# KiCad board rabbit_mask_video_edit.kicad_pcb (continued)
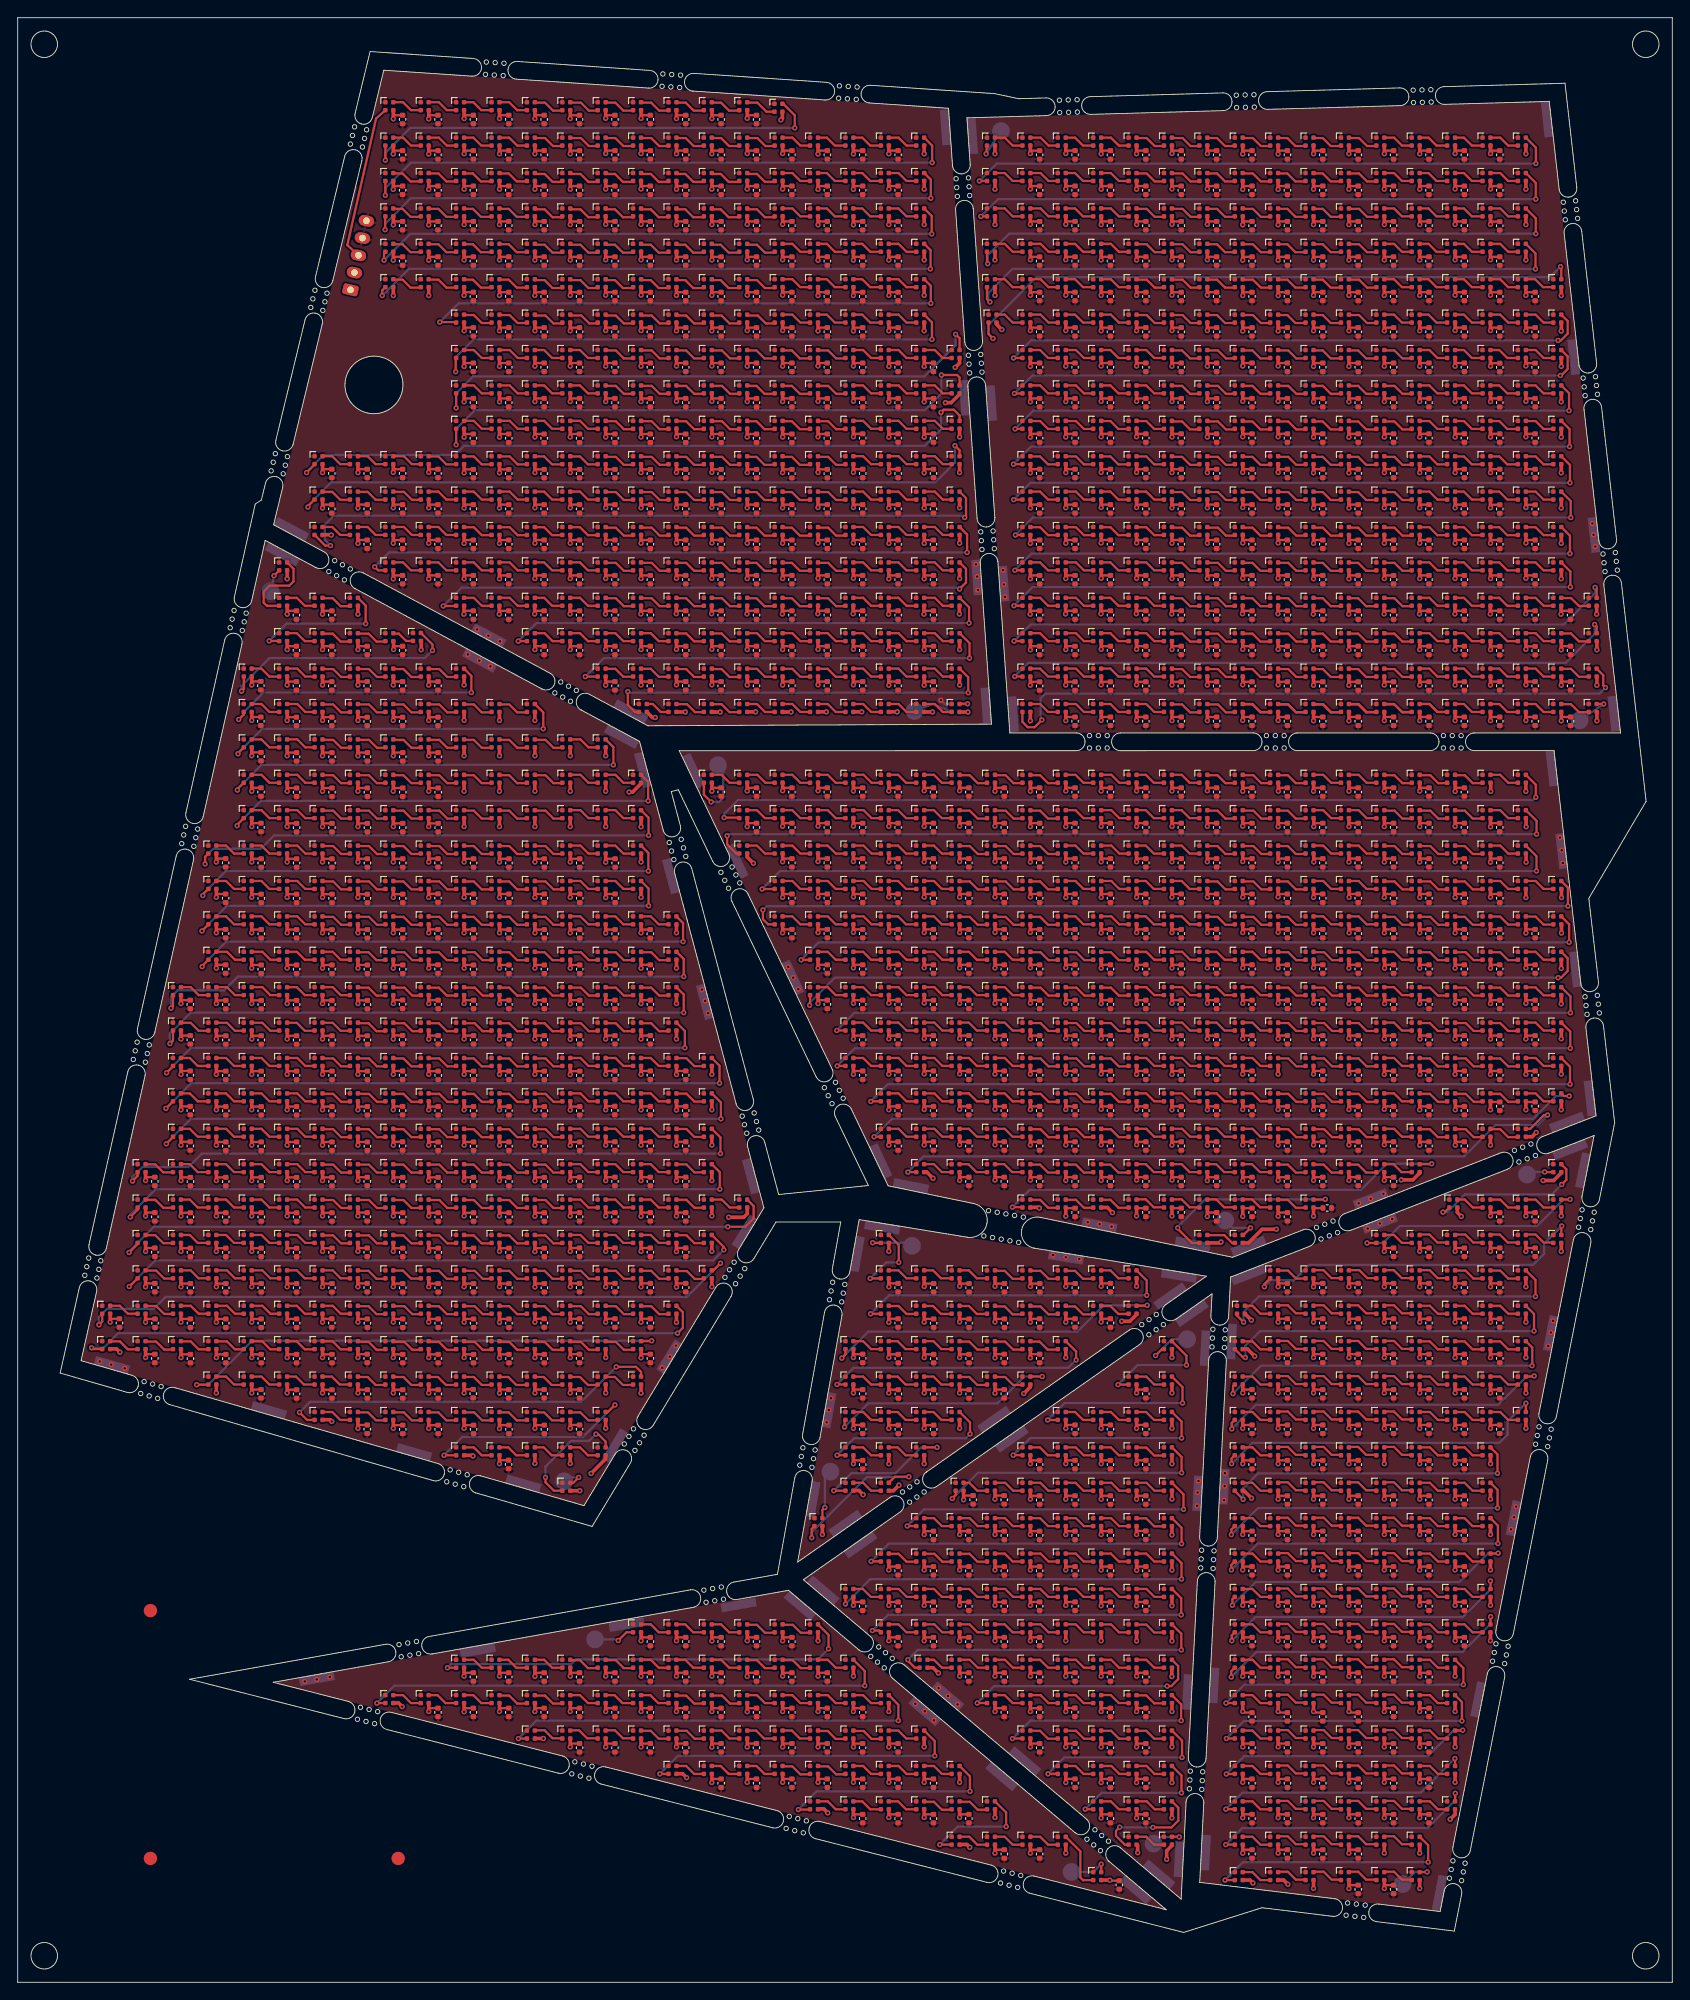
[diagram p0: board, top side]
## Routing (per net, layer and track width the routed paths; a pad name or vN(x,y) marks a point on that pad's centre or on a via; arc(x,y) is an arc through that point) (continued)
  Top w0.25: 117.57,55.55 116.47,55.55 115.57,56.45 114.47,56.45
Net-(D1264-DOUT): length 3.5
  Top w0.25: D1264.3 119.55,56.45 120.45,55.55 D1265.1
Net-(D1265-DOUT): length 3.5
  Top w0.25: 125.6,55.55 124.5,55.55 123.6,56.45 122.5,56.45
Net-(D1266-DOUT): length 3.5
  Top w0.25: 126.47,56.45 127.57,56.45 128.47,55.55 129.57,55.55
Net-(D1267-DOUT): length 36.6
  Top w0.25: D1277.1 101.54,51.56 v1(100.54,51.56) ; D1267.3 131.76,55.14 v1(131.76,53.44)
  Bottom w0.25: v1(131.76,53.44) 102.42,53.44 v1(100.54,51.56)
Net-(D1268-DOUT): length 3.5
  Top w0.25: D1268.3 139.55,56.45 140.45,55.55 D1269.1
Net-(D1269-DOUT): length 3.5
  Top w0.25: 145.55,55.6 144.45,55.6 143.55,56.5 142.45,56.5
Net-(D1270-DOUT): length 3.5
  Top w0.25: 149.6,55.6 148.5,55.6 147.6,56.5 146.5,56.5
Net-(D1271-DOUT): length 3.5
  Top w0.25: 153.5,55.6 152.4,55.6 151.5,56.5 150.4,56.5
Net-(D1272-DOUT): length 3.5
  Top w0.25: 154.45,56.5 155.55,56.5 156.45,55.6 157.55,55.6
Net-(D1273-DOUT): length 3.5
  Top w0.25: 161.6,55.55 160.5,55.55 159.6,56.45 158.5,56.45
Net-(D1274-DOUT): length 3.5
  Top w0.25: 162.43,56.45 163.53,56.45 164.43,55.55 165.53,55.55
Net-(D1275-DOUT): length 35.6
  Top w0.25: D1275.3 167.25,55.65 v1(167.25,53.6) ; D1285.1 137.17,51.17 v1(137.17,50.59)
  Bottom w0.25: v1(137.17,50.59) 140.18,53.6 v1(167.25,53.6)
Net-(D1277-DOUT): length 3.5
  Top w0.25: D1278.1 104.45,51.55 103.55,52.45 D1277.3
Net-(D1278-DOUT): length 3.5
  Top w0.25: 106.5,52.45 107.6,52.45 108.5,51.55 109.6,51.55
Net-(D1279-DOUT): length 3.5
  Top w0.25: 113.57,51.55 112.47,51.55 111.57,52.45 110.47,52.45
Net-(D1280-DOUT): length 3.5
  Top w0.25: D1280.3 115.55,52.45 116.45,51.55 D1281.1
Net-(D1281-DOUT): length 3.5
  Top w0.25: 121.6,51.55 120.5,51.55 119.6,52.45 118.5,52.45
Net-(D1282-DOUT): length 3.5
  Top w0.25: 125.57,51.55 124.47,51.55 123.57,52.45 122.47,52.45
Net-(D1283-DOUT): length 3.5
  Top w0.25: 126.45,52.43 127.55,52.43 128.45,51.53 129.55,51.53
Net-(D1284-DOUT): length 40.3
  Top w0.25: D1293.1 97.53,47.57 v1(96.46,47.57) ; v1(131.54,49.56) 131.54,51.36 D1284.3
  Bottom w0.25: v1(131.54,49.56) 98.45,49.56 v1(96.46,47.57)
Net-(D1285-DOUT): length 3.5
  Top w0.25: D1285.3 139.55,52.45 140.45,51.55 D1286.1
Net-(D1286-DOUT): length 3.5
  Top w0.25: 145.55,51.6 144.45,51.6 143.55,52.5 142.45,52.5
Net-(D1287-DOUT): length 3.5
  Top w0.25: 149.6,51.6 148.5,51.6 147.6,52.5 146.5,52.5
Net-(D1288-DOUT): length 3.5
  Top w0.25: 153.5,51.6 152.4,51.6 151.5,52.5 150.4,52.5
Net-(D1289-DOUT): length 3.5
  Top w0.25: 157.55,51.6 156.45,51.6 155.55,52.5 154.45,52.5
Net-(D1290-DOUT): length 3.5
  Top w0.25: 158.5,52.45 159.6,52.45 160.5,51.55 161.6,51.55
Net-(D1291-DOUT): length 3.5
  Top w0.25: 165.53,51.55 164.43,51.55 163.53,52.45 162.43,52.45
Net-(D1292-DOUT): length 35.7
  Top w0.25: D1302.1 137.17,47.17 v1(137.17,46.61) ; v1(167.29,49.58) 167.29,51.61 D1292.3
  Bottom w0.25: v1(167.29,49.58) 140.14,49.58 v1(137.17,46.61)
Net-(D1293-DOUT): length 3.5
  Top w0.25: 98.45,48.43 99.55,48.43 100.45,47.53 101.55,47.53
Net-(D1294-DOUT): length 3.5
  Top w0.25: 102.5,48.43 103.6,48.43 104.5,47.53 105.6,47.53
Net-(D1295-DOUT): length 3.5
  Top w0.25: 109.57,47.53 108.47,47.53 107.57,48.43 106.47,48.43
Net-(D1296-DOUT): length 3.5
  Top w0.25: D1296.3 111.55,48.45 112.45,47.55 D1297.1
Net-(D1297-DOUT): length 3.5
  Top w0.25: 117.6,47.55 116.5,47.55 115.6,48.45 114.5,48.45
Net-(D1298-DOUT): length 3.5
  Top w0.25: 121.57,47.55 120.47,47.55 119.57,48.45 118.47,48.45
Net-(D1299-DOUT): length 3.5
  Top w0.25: D1299.3 123.55,48.45 124.45,47.55 D1300.1
Net-(D1300-DOUT): length 3.5
  Top w0.25: D1300.3 127.55,48.45 128.45,47.55 D1301.1
Net-(D1301-DOUT): length 43.3
  Top w0.25: v1(131.53,45.56) 131.53,47.37 D1301.3 ; v1(93.55,42.75) D1310.1
  Bottom w0.25: v1(131.53,45.56) 96.36,45.56 v1(93.55,42.75)
Net-(D1302-DOUT): length 3.5
  Top w0.25: D1303.1 140.45,47.55 139.55,48.45 D1302.3
Net-(D1303-DOUT): length 3.5
  Top w0.25: 142.45,48.5 143.55,48.5 144.45,47.6 145.55,47.6
Net-(D1304-DOUT): length 3.5
  Top w0.25: 146.5,48.5 147.6,48.5 148.5,47.6 149.6,47.6
Net-(D1305-DOUT): length 3.5
  Top w0.25: 150.4,48.5 151.5,48.5 152.4,47.6 153.5,47.6
Net-(D1306-DOUT): length 3.5
  Top w0.25: 154.45,48.5 155.55,48.5 156.45,47.6 157.55,47.6
Net-(D1307-DOUT): length 3.5
  Top w0.25: 161.6,47.55 160.5,47.55 159.6,48.45 158.5,48.45
Net-(D1308-DOUT): length 3.5
  Top w0.25: 162.43,48.45 163.53,48.45 164.43,47.55 165.53,47.55
Net-(D1309-DOUT): length 34.4
  Top w0.25: v1(167.32,48.49) 167.28,48.45 D1309.3 ; v1(137.28,42.6) 137.28,43.28 D1320.1
  Bottom w0.25: v1(167.32,48.49) 166.19,48.49 162.93,45.23 139.91,45.23 v1(137.28,42.6)
Net-(D1310-DOUT): length 3.5
  Top w0.25: 94.42,44.45 95.53,44.45 96.42,43.55 97.53,43.55
Net-(D1311-DOUT): length 3.5
  Top w0.25: 98.47,44.45 99.58,44.45 100.47,43.55 101.57,43.55
Net-(D1312-DOUT): length 3.5
  Top w0.25: D1312.3 103.55,44.45 104.45,43.55 D1313.1
Net-(D1313-DOUT): length 3.5
  Top w0.25: D1313.3 107.55,44.45 108.45,43.55 D1314.1
Net-(D1314-DOUT): length 3.5
  Top w0.25: 110.5,44.45 111.6,44.45 112.5,43.55 113.6,43.55
Net-(D1315-DOUT): length 3.5
  Top w0.25: 117.57,43.55 116.47,43.55 115.57,44.45 114.47,44.45
Net-(D1316-DOUT): length 3.5
  Top w0.25: D1317.1 120.45,43.55 119.55,44.45 D1316.3
Net-(D1317-DOUT): length 3.5
  Top w0.25: 122.5,44.45 123.6,44.45 124.5,43.55 125.6,43.55
Net-(D1318-DOUT): length 3.5
  Top w0.25: 129.57,43.55 128.47,43.55 127.57,44.45 126.47,44.45
Net-(D1319-DOUT): length 40
  Top w0.25: D1334.1 97.35,39.75 v1(96.6,39.75) ; v1(131.5,41.53) 131.5,43.4 D1319.3
  Bottom w0.25: v1(131.5,41.53) 98.38,41.53 v1(96.6,39.75)
Net-(D1320-DOUT): length 3.5
  Top w0.25: D1321.1 140.45,43.55 139.55,44.45 D1320.3
Net-(D1321-DOUT): length 3.5
  Top w0.25: 142.45,44.5 143.55,44.5 144.45,43.6 145.55,43.6
Net-(D1322-DOUT): length 3.5
  Top w0.25: 149.6,43.6 148.5,43.6 147.6,44.5 146.5,44.5
Net-(D1323-DOUT): length 3.5
  Top w0.25: 150.4,44.5 151.5,44.5 152.4,43.6 153.5,43.6
Net-(D1324-DOUT): length 3.5
  Top w0.25: 157.55,43.6 156.45,43.6 155.55,44.5 154.45,44.5
Net-(D1325-DOUT): length 3.5
  Top w0.25: 161.6,43.55 160.5,43.55 159.6,44.45 158.5,44.45
Net-(D1326-DOUT): length 3.5
  Top w0.25: 162.43,44.45 163.53,44.45 164.43,43.55 165.53,43.55
Net-(D1327-DOUT): length 34.6
  Top w0.25: D1343.1 137.21,39.21 v1(137.21,38.6) ; v1(166.44,45.35) 166.45,45.34 D1327.3
  Bottom w0.25: v1(137.21,38.6) 139.89,41.28 163.35,41.28 166.44,44.37 v1(166.44,45.35)
Net-(D1328-DOUT): length 3.5
  Top w0.25: D1328.3 71.55,40.45 72.45,39.55 D1329.1
Net-(D1329-DOUT): length 3.5
  Top w0.25: 77.45,39.55 76.35,39.55 75.45,40.45 74.35,40.45
Net-(D1330-DOUT): length 3.5
  Top w0.25: 78.4,40.45 79.5,40.45 80.4,39.55 81.5,39.55
Net-(D1331-DOUT): length 3.5
  Top w0.25: 85.55,39.5 84.45,39.5 83.55,40.4 82.45,40.4
Net-(D1332-DOUT): length 3.5
  Top w0.25: 86.5,40.4 87.6,40.4 88.5,39.5 89.6,39.5
Net-(D1333-DOUT): length 48.2
  Top w0.25: v1(48.57,35.55) D1351.1 ; v1(91.64,37.69) 91.64,39.26 D1333.3
  Bottom w0.25: v1(91.64,37.69) 90.45,36.5 63.11,36.5 62.56,35.95 48.97,35.95 v1(48.57,35.55)
Net-(D1334-DOUT): length 3.5
  Top w0.25: D1335.1 100.45,39.55 99.55,40.45 D1334.3
Net-(D1335-DOUT): length 3.5
  Top w0.25: 102.5,40.45 103.6,40.45 104.5,39.55 105.6,39.55
Net-(D1336-DOUT): length 3.5
  Top w0.25: 106.47,40.45 107.57,40.45 108.47,39.55 109.57,39.55
Net-(D1337-DOUT): length 3.5
  Top w0.25: D1338.1 112.45,39.55 111.55,40.45 D1337.3
Net-(D1338-DOUT): length 3.5
  Top w0.25: 117.6,39.55 116.5,39.55 115.6,40.45 114.5,40.45
Net-(D1339-DOUT): length 3.5
  Top w0.25: 121.57,39.55 120.47,39.55 119.57,40.45 118.47,40.45
Net-(D1340-DOUT): length 3.5
  Top w0.25: 125.57,39.54 124.47,39.54 123.57,40.44 122.47,40.44
Net-(D1341-DOUT): length 3.5
  Top w0.25: 126.45,40.43 127.55,40.43 128.45,39.53 129.55,39.53
Net-(D1342-DOUT): length 36.5
  Top w0.25: v1(131.51,37.56) 131.51,39.39 D1342.3 ; v1(100.6,36.45) 100.6,36.35 101.4,35.55 D1363.1
  Bottom w0.25: v1(100.6,36.45) 101.71,37.56 v1(131.51,37.56)
Net-(D1343-DOUT): length 3.5
  Top w0.25: D1343.3 139.55,40.45 140.45,39.55 D1344.1
Net-(D1344-DOUT): length 3.5
  Top w0.25: 142.45,40.5 143.55,40.5 144.45,39.6 145.55,39.6
Net-(D1345-DOUT): length 3.5
  Top w0.25: 149.6,39.6 148.5,39.6 147.6,40.5 146.5,40.5
Net-(D1346-DOUT): length 3.5
  Top w0.25: 153.5,39.6 152.4,39.6 151.5,40.5 150.4,40.5
Net-(D1347-DOUT): length 3.5
  Top w0.25: 157.55,39.6 156.45,39.6 155.55,40.5 154.45,40.5
Net-(D1348-DOUT): length 3.5
  Top w0.25: 161.6,39.55 160.5,39.55 159.6,40.45 158.5,40.45
Net-(D1349-DOUT): length 3.5
  Top w0.25: 165.53,39.55 164.43,39.55 163.53,40.45 162.43,40.45
Net-(D1350-DOUT): length 34.7
  Top w0.25: v1(166.47,41.31) 166.45,41.29 D1350.3 ; v1(137.15,34.5) 137.15,35.15 D1371.1
  Bottom w0.25: v1(166.47,41.31) 166.47,40.51 163.28,37.32 139.97,37.32 v1(137.15,34.5)
Net-(D1351-DOUT): length 3.5
  Top w0.25: D1352.1 52.45,35.55 51.55,36.45 D1351.3
Net-(D1352-DOUT): length 3.5
  Top w0.25: 54.35,36.45 55.45,36.45 56.35,35.55 57.45,35.55
Net-(D1353-DOUT): length 3.5
  Top w0.25: 58.4,36.45 59.5,36.45 60.4,35.55 61.5,35.55
Net-(D1354-DOUT): length 3.5
  Top w0.25: 65.55,35.5 64.45,35.5 63.55,36.4 62.45,36.4
Net-(D1355-DOUT): length 3.5
  Top w0.25: 69.6,35.5 68.5,35.5 67.6,36.4 66.5,36.4
Net-(D1356-DOUT): length 3.5
  Top w0.25: D1357.1 72.45,35.55 71.55,36.45 D1356.3
Net-(D1357-DOUT): length 3.5
  Top w0.25: 74.35,36.45 75.45,36.45 76.35,35.55 77.45,35.55
Net-(D1358-DOUT): length 3.5
  Top w0.25: 78.4,36.45 79.5,36.45 80.4,35.55 81.5,35.55
Net-(D1359-DOUT): length 3.5
  Top w0.25: 85.55,35.5 84.45,35.5 83.55,36.4 82.45,36.4
Net-(D1360-DOUT): length 3.5
  Top w0.25: 89.6,35.5 88.5,35.5 87.6,36.4 86.5,36.4
Net-(D1361-DOUT): length 3.5
  Top w0.25: D1362.1 92.45,35.55 91.55,36.45 D1361.3
Net-(D1362-DOUT): length 60.4
  Top w0.25: v1(40.6,31.55) D1378.1 ; v1(95.73,33.52) 95.73,35.17 D1362.3
  Bottom w0.25: v1(95.73,33.52) 42.57,33.52 v1(40.6,31.55)
Net-(D1363-DOUT): length 3.1
  Top w0.25: D1364.1 104.45,35.55 103.55,36.45 D1363.3
Net-(D1364-DOUT): length 3.5
  Top w0.25: 106.5,36.45 107.6,36.45 108.5,35.55 109.6,35.55
Net-(D1365-DOUT): length 3.5
  Top w0.25: 110.47,36.45 111.57,36.45 112.47,35.55 113.57,35.55
Net-(D1366-DOUT): length 3.5
  Top w0.25: D1366.3 115.55,36.45 116.45,35.55 D1367.1
Net-(D1367-DOUT): length 3.5
  Top w0.25: 118.5,36.45 119.6,36.45 120.5,35.55 121.6,35.55
Net-(D1368-DOUT): length 3.5
  Top w0.25: 122.47,36.45 123.57,36.45 124.47,35.55 125.57,35.55
Net-(D1369-DOUT): length 3.5
  Top w0.25: D1370.1 128.45,35.55 127.55,36.45 D1369.3
Net-(D1370-DOUT): length 27.4
  Top w0.25: v1(108.45,31.56) 109.54,31.56 D1393.1 ; v1(129.9,33.47) 130.37,33.47 131.16,34.25 131.16,35.75 D1370.3
  Bottom w0.25: v1(129.9,33.47) 110.36,33.47 v1(108.45,31.56)
Net-(D1371-DOUT): length 3.5
  Top w0.25: D1372.1 140.45,35.55 139.55,36.45 D1371.3
Net-(D1372-DOUT): length 3.5
  Top w0.25: 142.45,36.5 143.55,36.5 144.45,35.6 145.55,35.6
Net-(D1373-DOUT): length 3.5
  Top w0.25: 149.6,35.6 148.5,35.6 147.6,36.5 146.5,36.5
Net-(D1374-DOUT): length 3.5
  Top w0.25: 153.5,35.6 152.4,35.6 151.5,36.5 150.4,36.5
Net-(D1375-DOUT): length 3.5
  Top w0.25: 154.45,36.5 155.55,36.5 156.45,35.6 157.55,35.6
Net-(D1376-DOUT): length 3.5
  Top w0.25: 161.6,35.55 160.5,35.55 159.6,36.45 158.5,36.45
Net-(D1377-DOUT): length 31.9
  Top w0.25: v1(163.39,33.64) 163.39,35.51 D1377.3 ; v1(136.56,31.56) 137.54,31.56 D1399.1
  Bottom w0.25: v1(136.56,31.56) 138.64,33.64 v1(163.39,33.64)
Net-(D1378-DOUT): length 3.5
  Top w0.25: D1379.1 44.45,31.55 43.55,32.45 D1378.3
Net-(D1379-DOUT): length 3.5
  Top w0.25: 46.35,32.45 47.45,32.45 48.35,31.55 49.45,31.55
Net-(D1380-DOUT): length 3.5
  Top w0.25: 50.4,32.45 51.5,32.45 52.4,31.55 53.5,31.55
Net-(D1381-DOUT): length 3.5
  Top w0.25: 54.45,32.4 55.55,32.4 56.45,31.5 57.55,31.5
Net-(D1382-DOUT): length 3.5
  Top w0.25: 61.6,31.5 60.5,31.5 59.6,32.4 58.5,32.4
Net-(D1383-DOUT): length 3.5
  Top w0.25: D1384.1 64.45,31.55 63.55,32.45 D1383.3
Net-(D1384-DOUT): length 3.5
  Top w0.25: 69.45,31.55 68.35,31.55 67.45,32.45 66.35,32.45
Net-(D1385-DOUT): length 3.5
  Top w0.25: 73.5,31.55 72.4,31.55 71.5,32.45 70.4,32.45
Net-(D1386-DOUT): length 3.5
  Top w0.25: 77.55,31.5 76.45,31.5 75.55,32.4 74.45,32.4
Net-(D1387-DOUT): length 3.5
  Top w0.25: 78.5,32.4 79.6,32.4 80.5,31.5 81.6,31.5
Net-(D1388-DOUT): length 3.5
  Top w0.25: D1388.3 83.55,32.45 84.45,31.55 D1389.1
Net-(D1389-DOUT): length 3.5
  Top w0.25: D1389.3 87.55,32.45 88.45,31.55 D1390.1
Net-(D1390-DOUT): length 3.5
  Top w0.25: D1390.3 91.55,32.45 92.45,31.55 D1391.1
Net-(D1391-DOUT): length 3.5
  Top w0.25: D1392.1 96.45,31.55 95.55,32.45 D1391.3
Net-(D1392-DOUT): length 48.1
  Top w0.25: D1392.3 99.53,31.37 v1(99.53,29.58) ; v1(56.59,27.54) 57.54,27.54 D1406.1
  Bottom w0.25: v1(99.53,29.58) 58.63,29.58 v1(56.59,27.54)
Net-(D1393-DOUT): length 3.5
  Top w0.25: D1394.1 112.45,31.55 111.55,32.45 D1393.3
Net-(D1394-DOUT): length 3.5
  Top w0.25: 117.6,31.55 116.5,31.55 115.6,32.45 114.5,32.45
Net-(D1395-DOUT): length 3.5
  Top w0.25: 118.47,32.45 119.57,32.45 120.47,31.55 121.57,31.55
Net-(D1396-DOUT): length 3.5
  Top w0.25: 125.54,31.56 124.44,31.56 123.54,32.46 122.44,32.46
Net-(D1397-DOUT): length 3.5
  Top w0.25: 129.55,31.53 128.45,31.53 127.55,32.43 126.45,32.43
Net-(D1398-DOUT): length 24.3
  Top w0.25: D1418.1 112.44,27.55 v1(112.43,27.54) ; D1398.3 131.49,31.41 v1(131.49,29.58)
  Bottom w0.25: v1(112.43,27.54) 114.47,29.58 v1(131.49,29.58)
Net-(D1399-DOUT): length 3.5
  Top w0.25: D1399.3 139.55,32.45 140.45,31.55 D1400.1
Net-(D1400-DOUT): length 3.5
  Top w0.25: 142.45,32.5 143.55,32.5 144.45,31.6 145.55,31.6
Net-(D1401-DOUT): length 3.5
  Top w0.25: 149.6,31.6 148.5,31.6 147.6,32.5 146.5,32.5
Net-(D1402-DOUT): length 3.5
  Top w0.25: 153.5,31.6 152.4,31.6 151.5,32.5 150.4,32.5
Net-(D1403-DOUT): length 3.5
  Top w0.25: 157.55,31.6 156.45,31.6 155.55,32.5 154.45,32.5
Net-(D1404-DOUT): length 3.5
  Top w0.25: 158.5,32.45 159.6,32.45 160.5,31.55 161.6,31.55
Net-(D1405-DOUT): length 31.6
  Top w0.25: v1(163.22,29.54) 163.22,31.68 D1405.3 ; v1(136.61,27.55) D1423.1
  Bottom w0.25: v1(136.61,27.55) 138.6,29.54 v1(163.22,29.54)
Net-(D1406-DOUT): length 3.5
  Top w0.25: 61.55,27.57 60.45,27.57 59.55,28.47 58.45,28.47
Net-(D1407-DOUT): length 3.5
  Top w0.25: 65.45,27.57 64.35,27.57 63.45,28.47 62.35,28.47
Net-(D1408-DOUT): length 3.5
  Top w0.25: 66.4,28.47 67.5,28.47 68.4,27.57 69.5,27.57
Net-(D1409-DOUT): length 3.5
  Top w0.25: 73.55,27.53 72.45,27.53 71.55,28.43 70.45,28.43
Net-(D1410-DOUT): length 3.5
  Top w0.25: 74.5,28.43 75.6,28.43 76.5,27.53 77.6,27.53
Net-(D1411-DOUT): length 3.5
  Top w0.25: D1411.3 79.55,28.45 80.45,27.55 D1412.1
Net-(D1412-DOUT): length 3.5
  Top w0.25: 85.45,27.55 84.35,27.55 83.45,28.45 82.35,28.45
Net-(D1413-DOUT): length 3.5
  Top w0.25: 89.5,27.55 88.4,27.55 87.5,28.45 86.4,28.45
Net-(D1414-DOUT): length 3.5
  Top w0.25: 90.45,28.4 91.55,28.4 92.45,27.5 93.55,27.5
Net-(D1415-DOUT): length 3.5
  Top w0.25: 94.5,28.4 95.6,28.4 96.5,27.5 97.6,27.5
Net-(D1416-DOUT): length 3.5
  Top w0.25: 101.53,27.55 100.42,27.55 99.53,28.45 98.42,28.45
Net-(D1417-DOUT): length 36.2
  Top w0.25: v1(103.64,25.59) 103.64,27.26 D1417.3 ; v1(72.57,23.55) D1430.1
  Bottom w0.25: v1(103.64,25.59) 74.61,25.59 v1(72.57,23.55)
Net-(D1418-DOUT): length 3.5
  Top w0.25: 117.55,27.53 116.45,27.53 115.55,28.43 114.45,28.43
Net-(D1419-DOUT): length 3.5
  Top w0.25: 118.5,28.43 119.6,28.43 120.5,27.53 121.6,27.53
Net-(D1420-DOUT): length 3.5
  Top w0.25: 122.47,28.43 123.57,28.43 124.47,27.53 125.57,27.53
Net-(D1421-DOUT): length 3.5
  Top w0.25: 126.45,28.43 127.55,28.43 128.45,27.53 129.55,27.53
Net-(D1422-DOUT): length 20.5
  Top w0.25: v1(116.44,23.56) 117.54,23.56 D1439.1 ; v1(131.59,25.41) 131.59,27.31 D1422.3
  Bottom w0.25: v1(131.59,25.41) 118.29,25.41 v1(116.44,23.56)
Net-(D1423-DOUT): length 3.5
  Top w0.25: D1424.1 140.45,27.55 139.55,28.45 D1423.3
Net-(D1424-DOUT): length 3.5
  Top w0.25: 145.55,27.6 144.45,27.6 143.55,28.5 142.45,28.5
Net-(D1425-DOUT): length 3.5
  Top w0.25: 149.6,27.6 148.5,27.6 147.6,28.5 146.5,28.5
Net-(D1426-DOUT): length 3.5
  Top w0.25: 153.5,27.6 152.4,27.6 151.5,28.5 150.4,28.5
Net-(D1427-DOUT): length 3.5
  Top w0.25: 157.55,27.6 156.45,27.6 155.55,28.5 154.45,28.5
Net-(D1428-DOUT): length 3.5
  Top w0.25: 158.5,28.45 159.6,28.45 160.5,27.55 161.6,27.55
Net-(D1429-DOUT): length 30.6
  Top w0.25: D1443.1 137.54,23.54 v1(136.6,23.54) ; v1(163.31,28.49) 163.27,28.45 D1429.3
  Bottom w0.25: v1(136.6,23.54) 138.62,25.56 159.38,25.56 162.31,28.49 v1(163.31,28.49)
Net-(D1430-DOUT): length 3.5
  Top w0.25: D1430.3 75.55,24.45 76.45,23.55 D1431.1
Net-(D1431-DOUT): length 3.5
  Top w0.25: 81.45,23.55 80.35,23.55 79.45,24.45 78.35,24.45
Net-(D1432-DOUT): length 3.5
  Top w0.25: 82.4,24.45 83.5,24.45 84.4,23.55 85.5,23.55
Net-(D1433-DOUT): length 3.5
  Top w0.25: 86.45,24.4 87.55,24.4 88.45,23.5 89.55,23.5
Net-(D1434-DOUT): length 3.5
  Top w0.25: 93.6,23.5 92.5,23.5 91.6,24.4 90.5,24.4
Net-(D1435-DOUT): length 3.5
  Top w0.25: D1436.1 96.45,23.55 95.55,24.45 D1435.3
Net-(D1436-DOUT): length 3.5
  Top w0.25: D1436.3 99.55,24.45 100.45,23.55 D1437.1
Net-(D1437-DOUT): length 3.5
  Top w0.25: D1437.3 103.55,24.45 104.45,23.55 D1438.1
Net-(D1438-DOUT): length 24.9
  Top w0.25: v1(107.62,21.58) 107.62,23.28 D1438.3 ; v1(88.23,19.52) 89.52,19.52 D1450.1
  Bottom w0.25: v1(107.62,21.58) 90.29,21.58 v1(88.23,19.52)
Net-(D1439-DOUT): length 3.5
  Top w0.25: D1440.1 120.45,23.55 119.55,24.45 D1439.3
Net-(D1440-DOUT): length 3.5
  Top w0.25: 122.5,24.45 123.6,24.45 124.5,23.55 125.6,23.55
Net-(D1441-DOUT): length 3.5
  Top w0.25: 126.47,24.45 127.57,24.45 128.47,23.55 129.57,23.55
Net-(D1442-DOUT): length 16
  Top w0.25: D1456.1 121.54,19.56 v1(120.65,19.56) ; D1442.3 131.53,23.37 v1(131.53,21.41)
  Bottom w0.25: v1(131.53,21.41) 122.5,21.41 v1(120.65,19.56)
Net-(D1443-DOUT): length 3.5
  Top w0.25: D1444.1 140.45,23.55 139.55,24.45 D1443.3
Net-(D1444-DOUT): length 3.5
  Top w0.25: 145.55,23.6 144.45,23.6 143.55,24.5 142.45,24.5
Net-(D1445-DOUT): length 3.5
  Top w0.25: 149.6,23.6 148.5,23.6 147.6,24.5 146.5,24.5
Net-(D1446-DOUT): length 3.5
  Top w0.25: 150.4,24.5 151.5,24.5 152.4,23.6 153.5,23.6
Net-(D1447-DOUT): length 3.5
  Top w0.25: 154.45,24.5 155.55,24.5 156.45,23.6 157.55,23.6
Net-(D1448-DOUT): length 3.5
  Top w0.25: 161.6,23.55 160.5,23.55 159.6,24.45 158.5,24.45
Net-(D1449-DOUT): length 30.1
  Top w0.25: v1(136.54,19.56) 137.54,19.56 D1459.1 ; D1449.3 162.45,25.27 v1(162.43,25.29)
  Bottom w0.25: v1(162.43,25.29) 158.58,21.44 138.42,21.44 v1(136.54,19.56)
Net-(D1450-DOUT): length 3.5
  Top w0.25: D1451.1 92.45,19.55 91.55,20.45 D1450.3
Net-(D1451-DOUT): length 3.5
  Top w0.25: 94.35,20.45 95.45,20.45 96.35,19.55 97.45,19.55
Net-(D1452-DOUT): length 3.5
  Top w0.25: 98.4,20.45 99.5,20.45 100.4,19.55 101.5,19.55
Net-(D1453-DOUT): length 3.5
  Top w0.25: 102.45,20.4 103.55,20.4 104.45,19.5 105.55,19.5
Net-(D1454-DOUT): length 3.5
  Top w0.25: 106.5,20.4 107.6,20.4 108.5,19.5 109.6,19.5
Net-(D1455-DOUT): length 13.1
  Top w0.25: D1455.3 111.71,19.19 v1(111.71,17.6) ; D1466.1 105.54,15.56 v1(104.21,15.56)
  Bottom w0.25: v1(104.21,15.56) 106.25,17.6 v1(111.71,17.6)
Net-(D1456-DOUT): length 3.5
  Top w0.25: D1457.1 124.45,19.55 123.55,20.45 D1456.3
Net-(D1457-DOUT): length 3.5
  Top w0.25: 126.5,20.45 127.6,20.45 128.5,19.55 129.6,19.55
Net-(D1458-DOUT): length 12.4
  Top w0.25: D1458.3 131.18,19.72 131.18,18.27 130.4,17.5 v1(128.3,17.5) ; v1(124.54,17.53) 124.12,17.11 124.12,16.55 125.12,15.55 D1470.1
  Bottom w0.25: v1(128.3,17.5) 124.56,17.5 v1(124.54,17.53)
Net-(D1459-DOUT): length 3.5
  Top w0.25: D1459.3 139.55,20.45 140.45,19.55 D1460.1
Net-(D1460-DOUT): length 3.5
  Top w0.25: 142.45,20.5 143.55,20.5 144.45,19.6 145.55,19.6
Net-(D1461-DOUT): length 3.5
  Top w0.25: 146.5,20.5 147.6,20.5 148.5,19.6 149.6,19.6
Net-(D1462-DOUT): length 3.5
  Top w0.25: 150.4,20.5 151.5,20.5 152.4,19.6 153.5,19.6
Net-(D1463-DOUT): length 3.5
  Top w0.25: 157.55,19.6 156.45,19.6 155.55,20.5 154.45,20.5
Net-(D1464-DOUT): length 3.5
  Top w0.25: 158.5,20.45 159.6,20.45 160.5,19.55 161.6,19.55
Net-(D1465-DOUT): length 30.7
  Top w0.25: D1465.3 162.45,21.34 v1(162.47,21.36) ; v1(136.53,15.56) 137.54,15.56 D1472.1
  Bottom w0.25: v1(136.53,15.56) 138.4,17.43 159.32,17.43 162.47,20.58 v1(162.47,21.36)
Net-(D1466-DOUT): length 3.5
  Top w0.25: D1467.1 108.45,15.55 107.55,16.45 D1466.3
Net-(D1467-DOUT): length 3.5
  Top w0.25: D1468.1 112.45,15.55 111.55,16.45 D1467.3
Net-(D1468-DOUT): length 3.5
  Top w0.25: D1469.1 116.45,15.55 115.55,16.45 D1468.3
Net-(D1469-DOUT): length 6.9
  Top w0.25: D1478.1 120.43,11.55 120.41,11.53 120.1,11.84 120.1,14.8 D1469.3
Net-(D1470-DOUT): length 3.5
  Top w0.25: D1470.3 127.55,16.45 128.45,15.55 D1471.1
Net-(D1472-DOUT): length 3.5
  Top w0.25: D1472.3 139.55,16.45 140.45,15.55 D1473.1
Net-(D1473-DOUT): length 3.5
  Top w0.25: 142.45,16.5 143.55,16.5 144.45,15.6 145.55,15.6
Net-(D1474-DOUT): length 3.5
  Top w0.25: 149.6,15.6 148.5,15.6 147.6,16.5 146.5,16.5
Net-(D1475-DOUT): length 3.5
  Top w0.25: 153.5,15.6 152.4,15.6 151.5,16.5 150.4,16.5
Net-(D1476-DOUT): length 3.5
  Top w0.25: 157.55,15.6 156.45,15.6 155.55,16.5 154.45,16.5
Net-(D1477-DOUT): length 28.2
  Top w0.25: v1(136.45,11.55) D1479.1 ; D1477.3 159.41,15.49 v1(159.41,13.58)
  Bottom w0.25: v1(159.41,13.58) 138.48,13.58 v1(136.45,11.55)
Net-(D1479-DOUT): length 3.5
  Top w0.25: D1480.1 140.45,11.55 139.55,12.45 D1479.3
Net-(D1480-DOUT): length 3.5
  Top w0.25: 142.45,12.5 143.55,12.5 144.45,11.6 145.55,11.6
Net-(D1481-DOUT): length 3.5
  Top w0.25: 146.5,12.5 147.6,12.5 148.5,11.6 149.6,11.6
Net-(D1482-DOUT): length 3.5
  Top w0.25: 153.5,11.6 152.4,11.6 151.5,12.5 150.4,12.5
Net-(D1483-DOUT): length 3.5
  Top w0.25: 154.45,12.5 155.55,12.5 156.45,11.6 157.55,11.6
Net-(D1659-DIN): length 1.8
  Top w0.25: D565.3 106.47,144.47 v1(107.35,144.47)
  Bottom w0.25: v1(107.35,144.47) 107.32,144.45 D565.3

## Copper pours and planes (outline as drawn; the poured copper is in the pictures)
GND on Top: 88.82,45.49 134.97,77.78 131.48,9.4
GND on Top: 29,33.89 87.09,44.3 129.75,8.22
GND on Top: 95.11,86.18 134.29,79.78 88.17,47.48
GND on Top: 27.98,162.92 70.29,140.22 84.33,87.5 63.98,53.85 7.17,70.26
GND on Top: 112.13,141.19 107.28,210.67 173.08,212.54 181.16,141.17
GND on Top: 41.41,216.06 105.21,211.77 110.05,142.17 71.24,141.98 28.94,164.73
GND on Top: 74.78,139.16 173.63,139.18 178.38,97.9 137.28,81.9 98.38,90
GND on Top: 137.09,79.68 178.15,95.68 160.76,8 133.6,11.3
VCC on Bottom: 112.08,141.2 107.23,210.68 173.03,212.55 181.11,141.18
VCC on Bottom: 28.98,33.92 87.07,44.33 129.73,8.25
VCC on Bottom: 74.75,139.18 173.6,139.2 178.35,97.92 137.25,81.92 98.35,90.02
VCC on Bottom: 95.11,86.19 134.29,79.79 88.17,47.49
VCC on Bottom: 41.41,216.06 105.21,211.77 110.05,142.17 71.24,141.98 28.94,164.73
VCC on Bottom: 137.09,79.68 178.15,95.68 160.76,8 133.6,11.3
VCC on Bottom: 88.81,45.5 134.96,77.79 131.47,9.41
VCC on Bottom: 27.97,162.93 70.28,140.23 84.32,87.51 63.97,53.86 7.16,70.27

## Text on the board
B.Silkscreen: 3 | 1 | 6 | 5 | 7 | 4 | 2 | 8
